# Altium PCB ecoVENTV_v1.1.PcbDoc (part 1 of 3)
Units mm, origin at the board's own origin, x right, y up, seen from the top; angles counter-clockwise.
Board outline 55 x 40 mm, 4 copper layers (Top Layer, GND, POWER, Bottom Layer), stack 1.269 mm thick; 195 components, 115 nets, 548 pads, 345 vias.
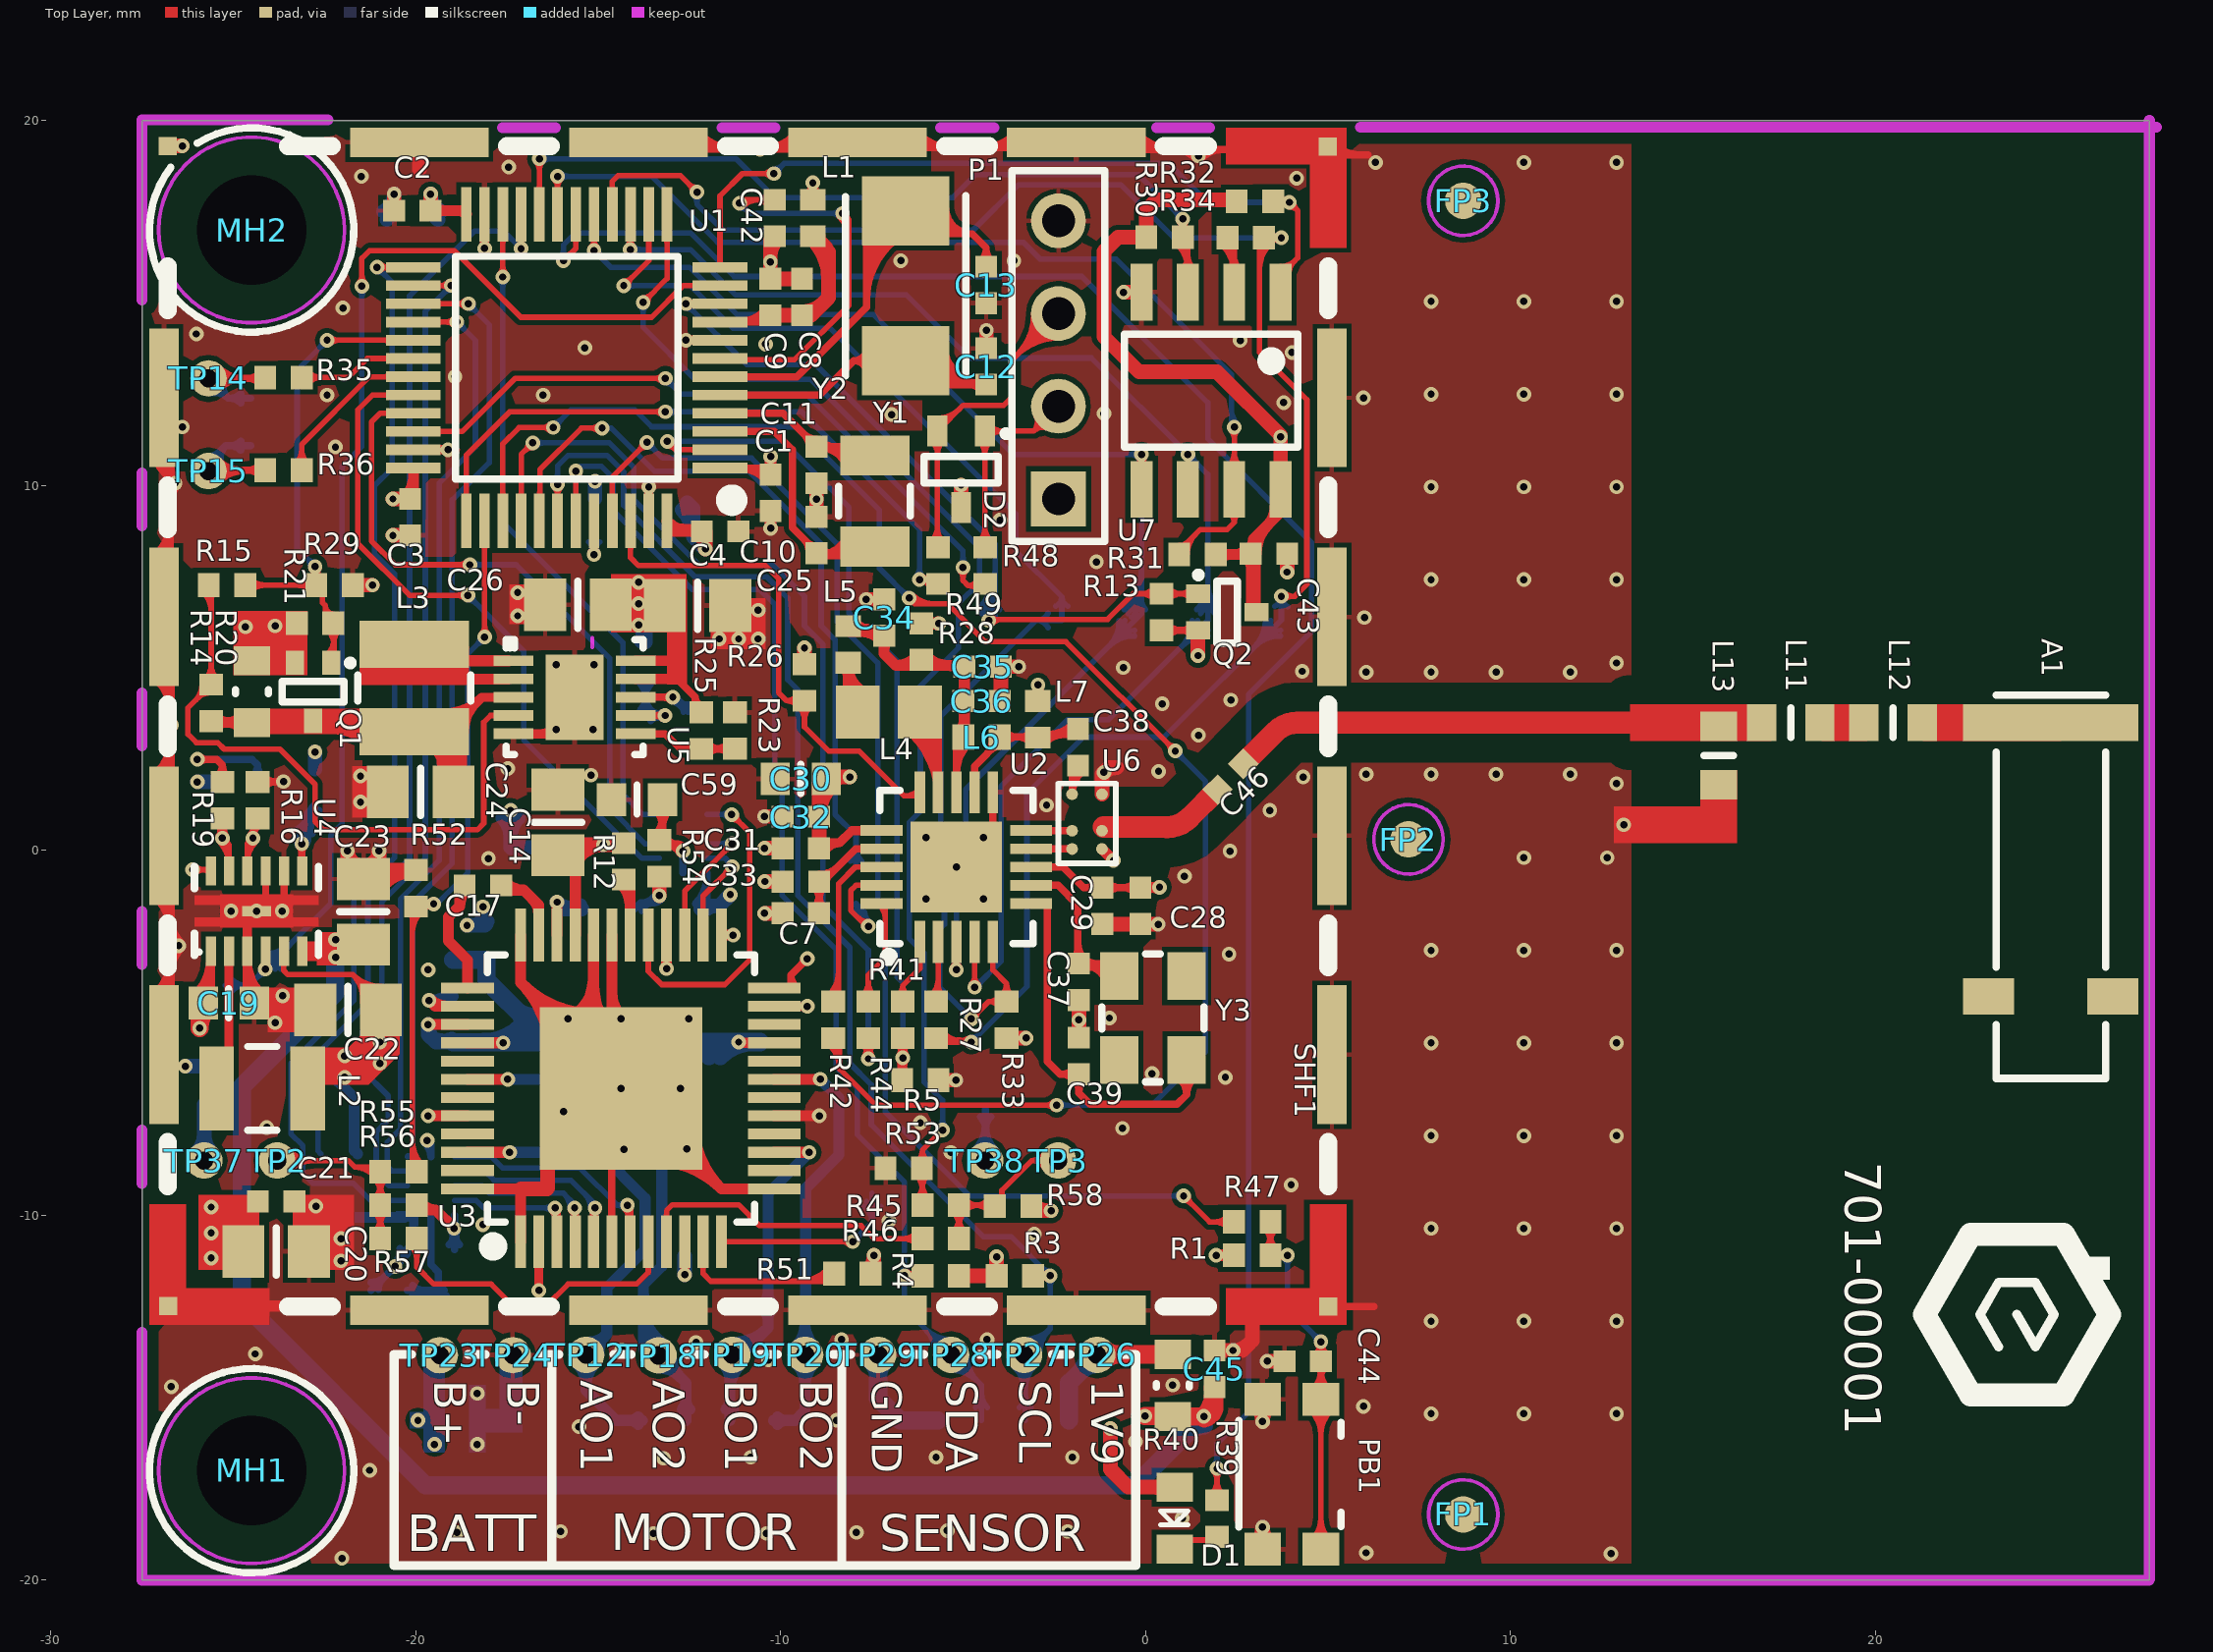
[diagram p0: Top Layer view]
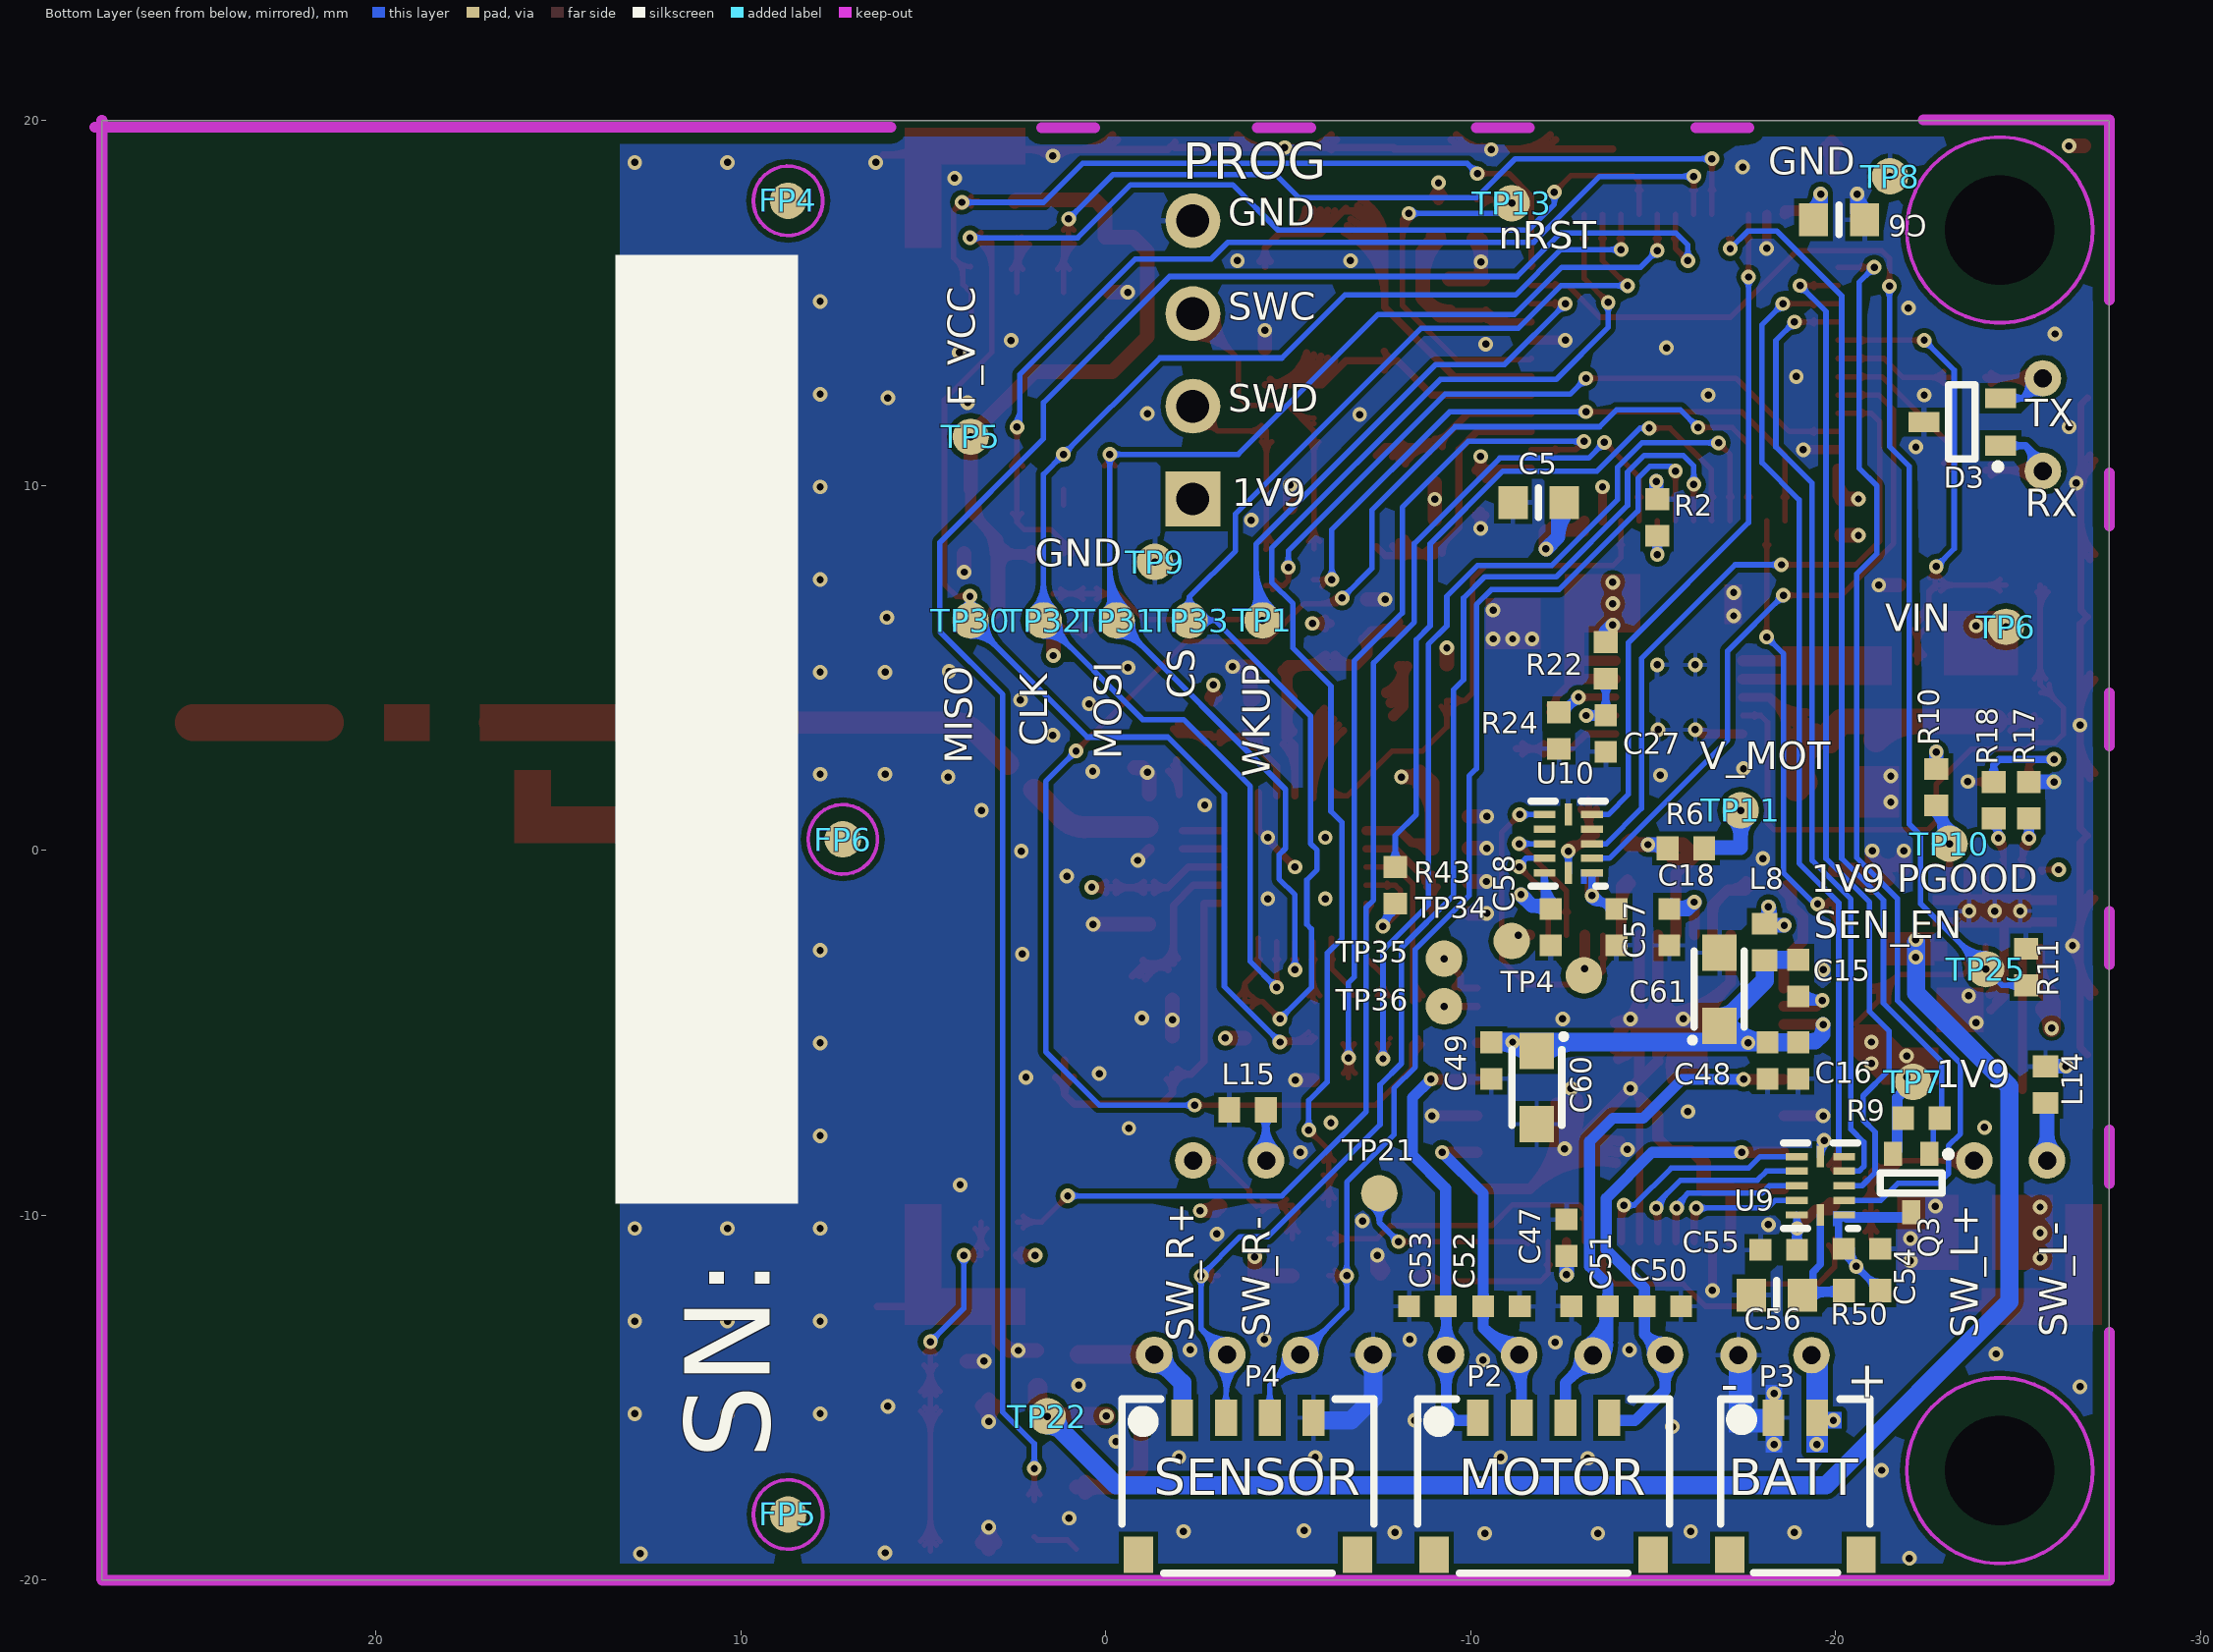
[diagram p1: Bottom Layer view, seen from below]
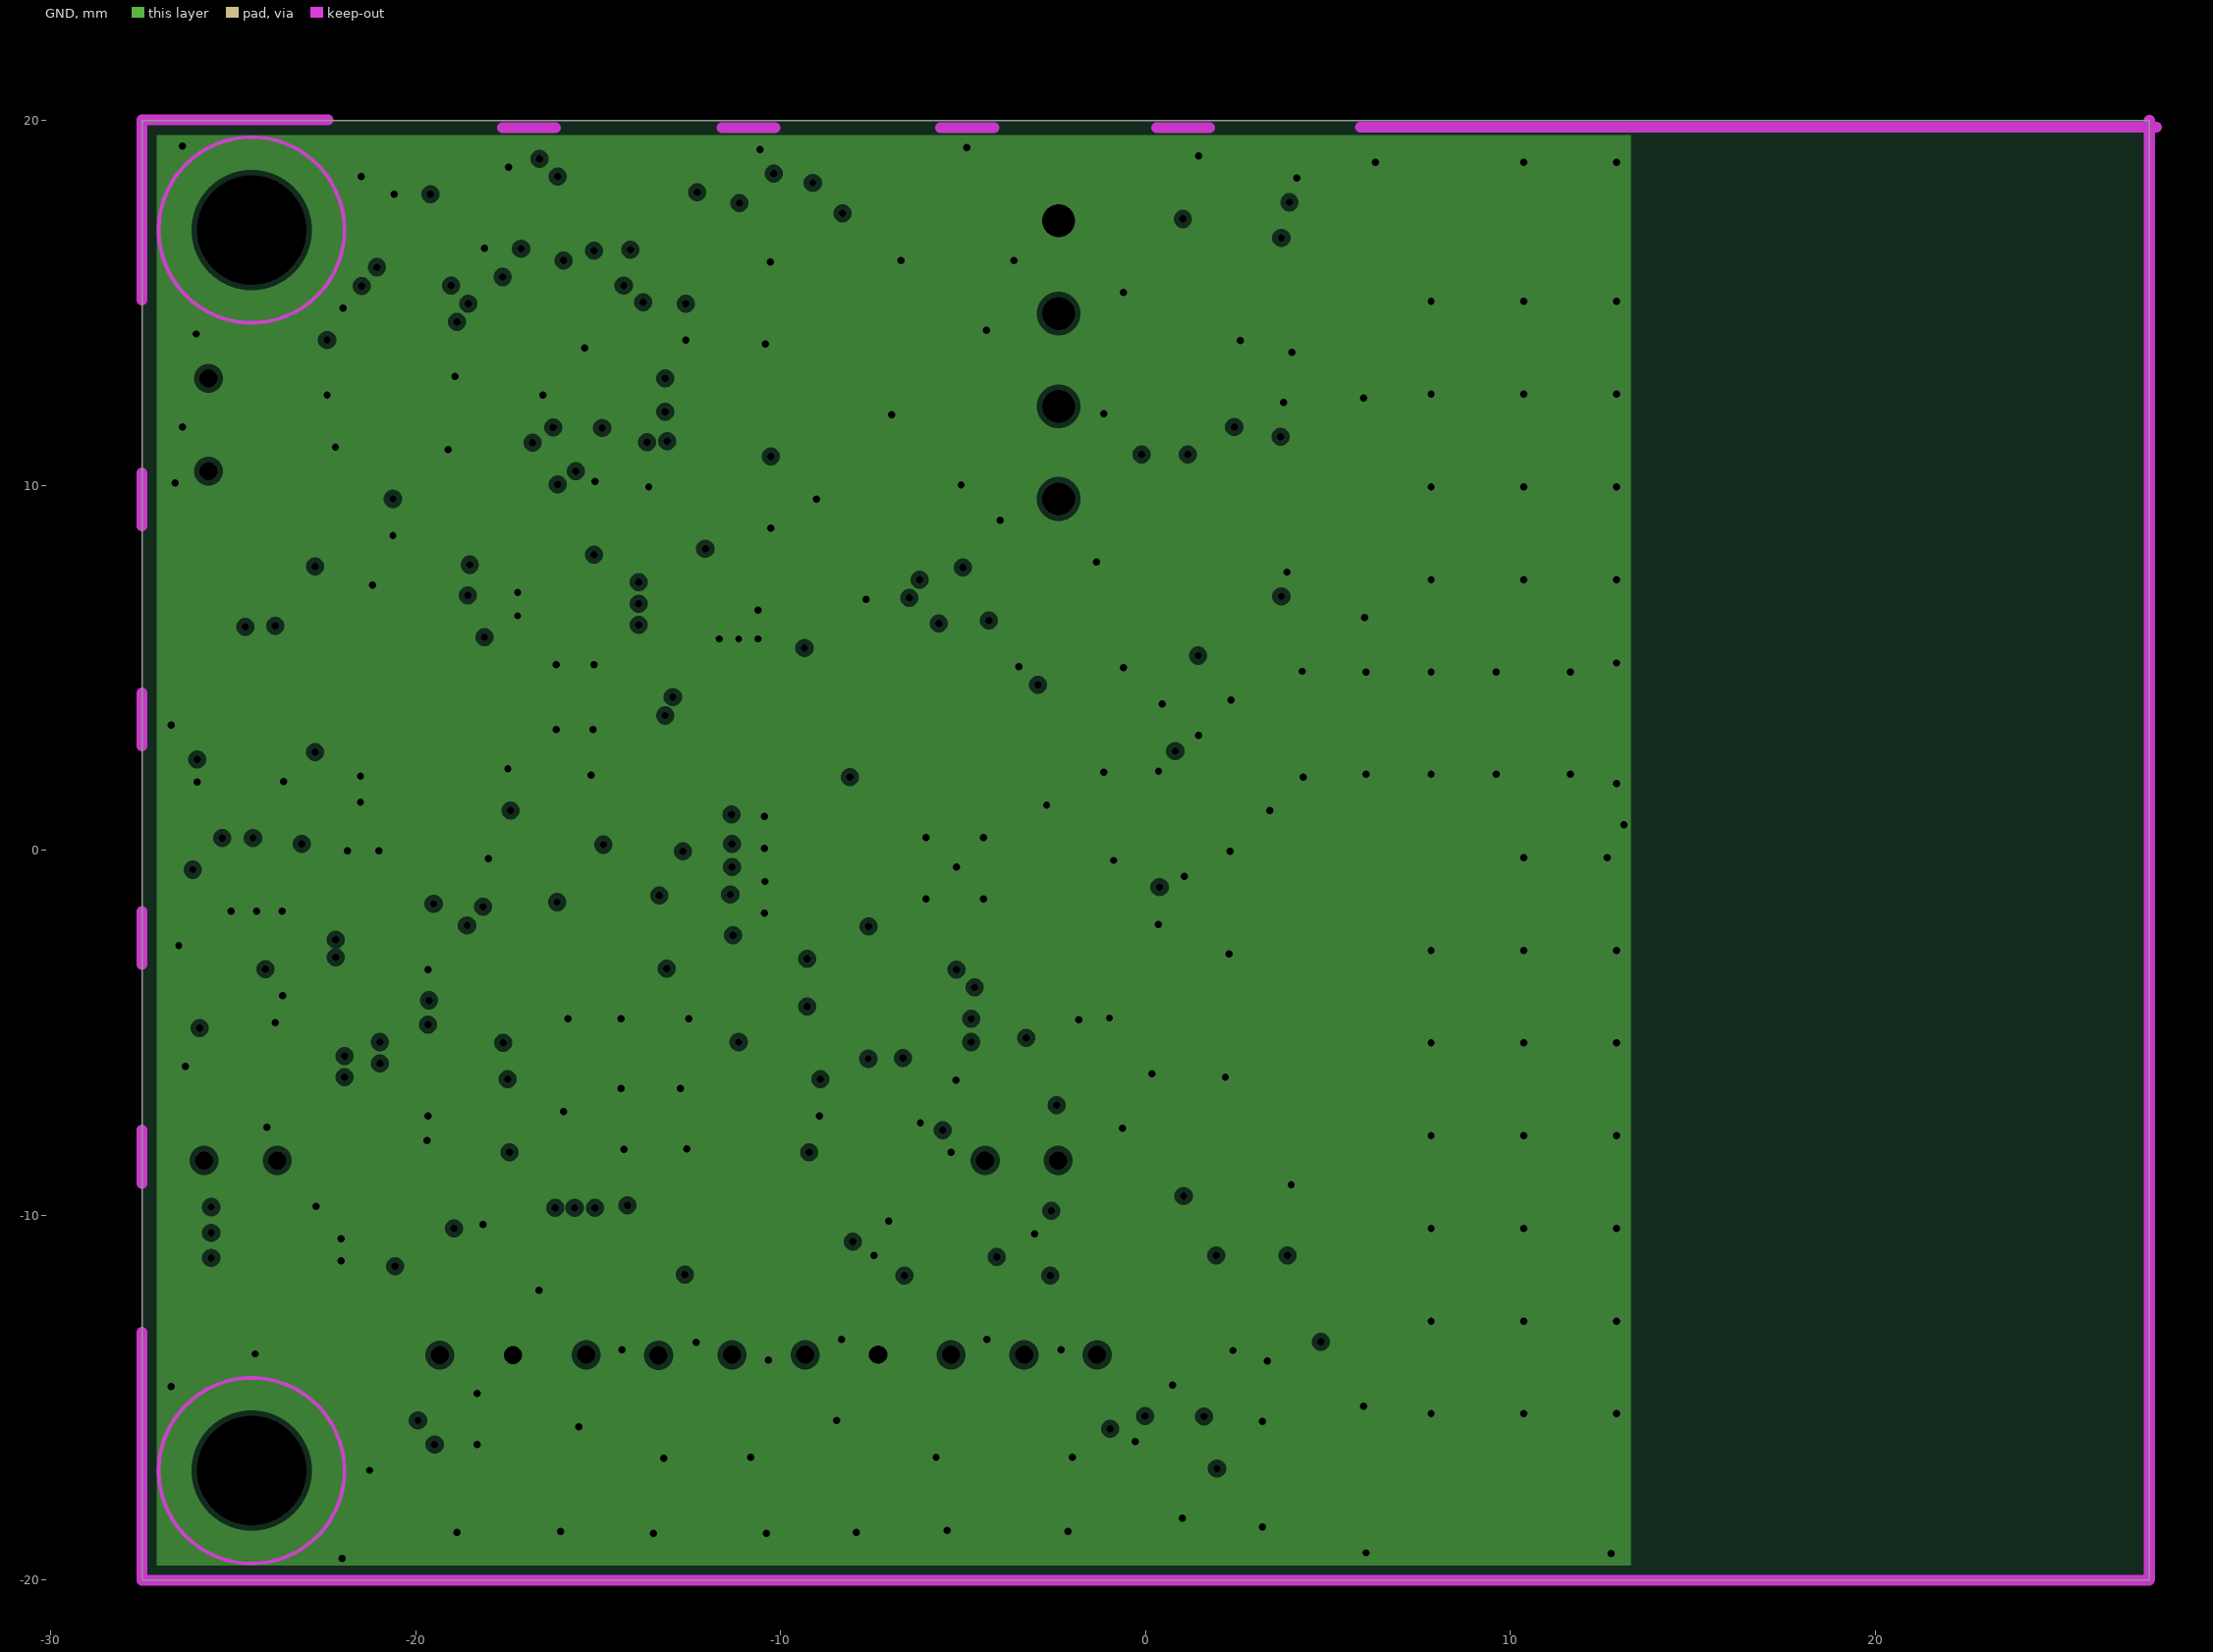
[diagram p2: GND, clearances drawn from the general rule]